# Allegro board meta_carrier_lay_rev1.brd (continued)
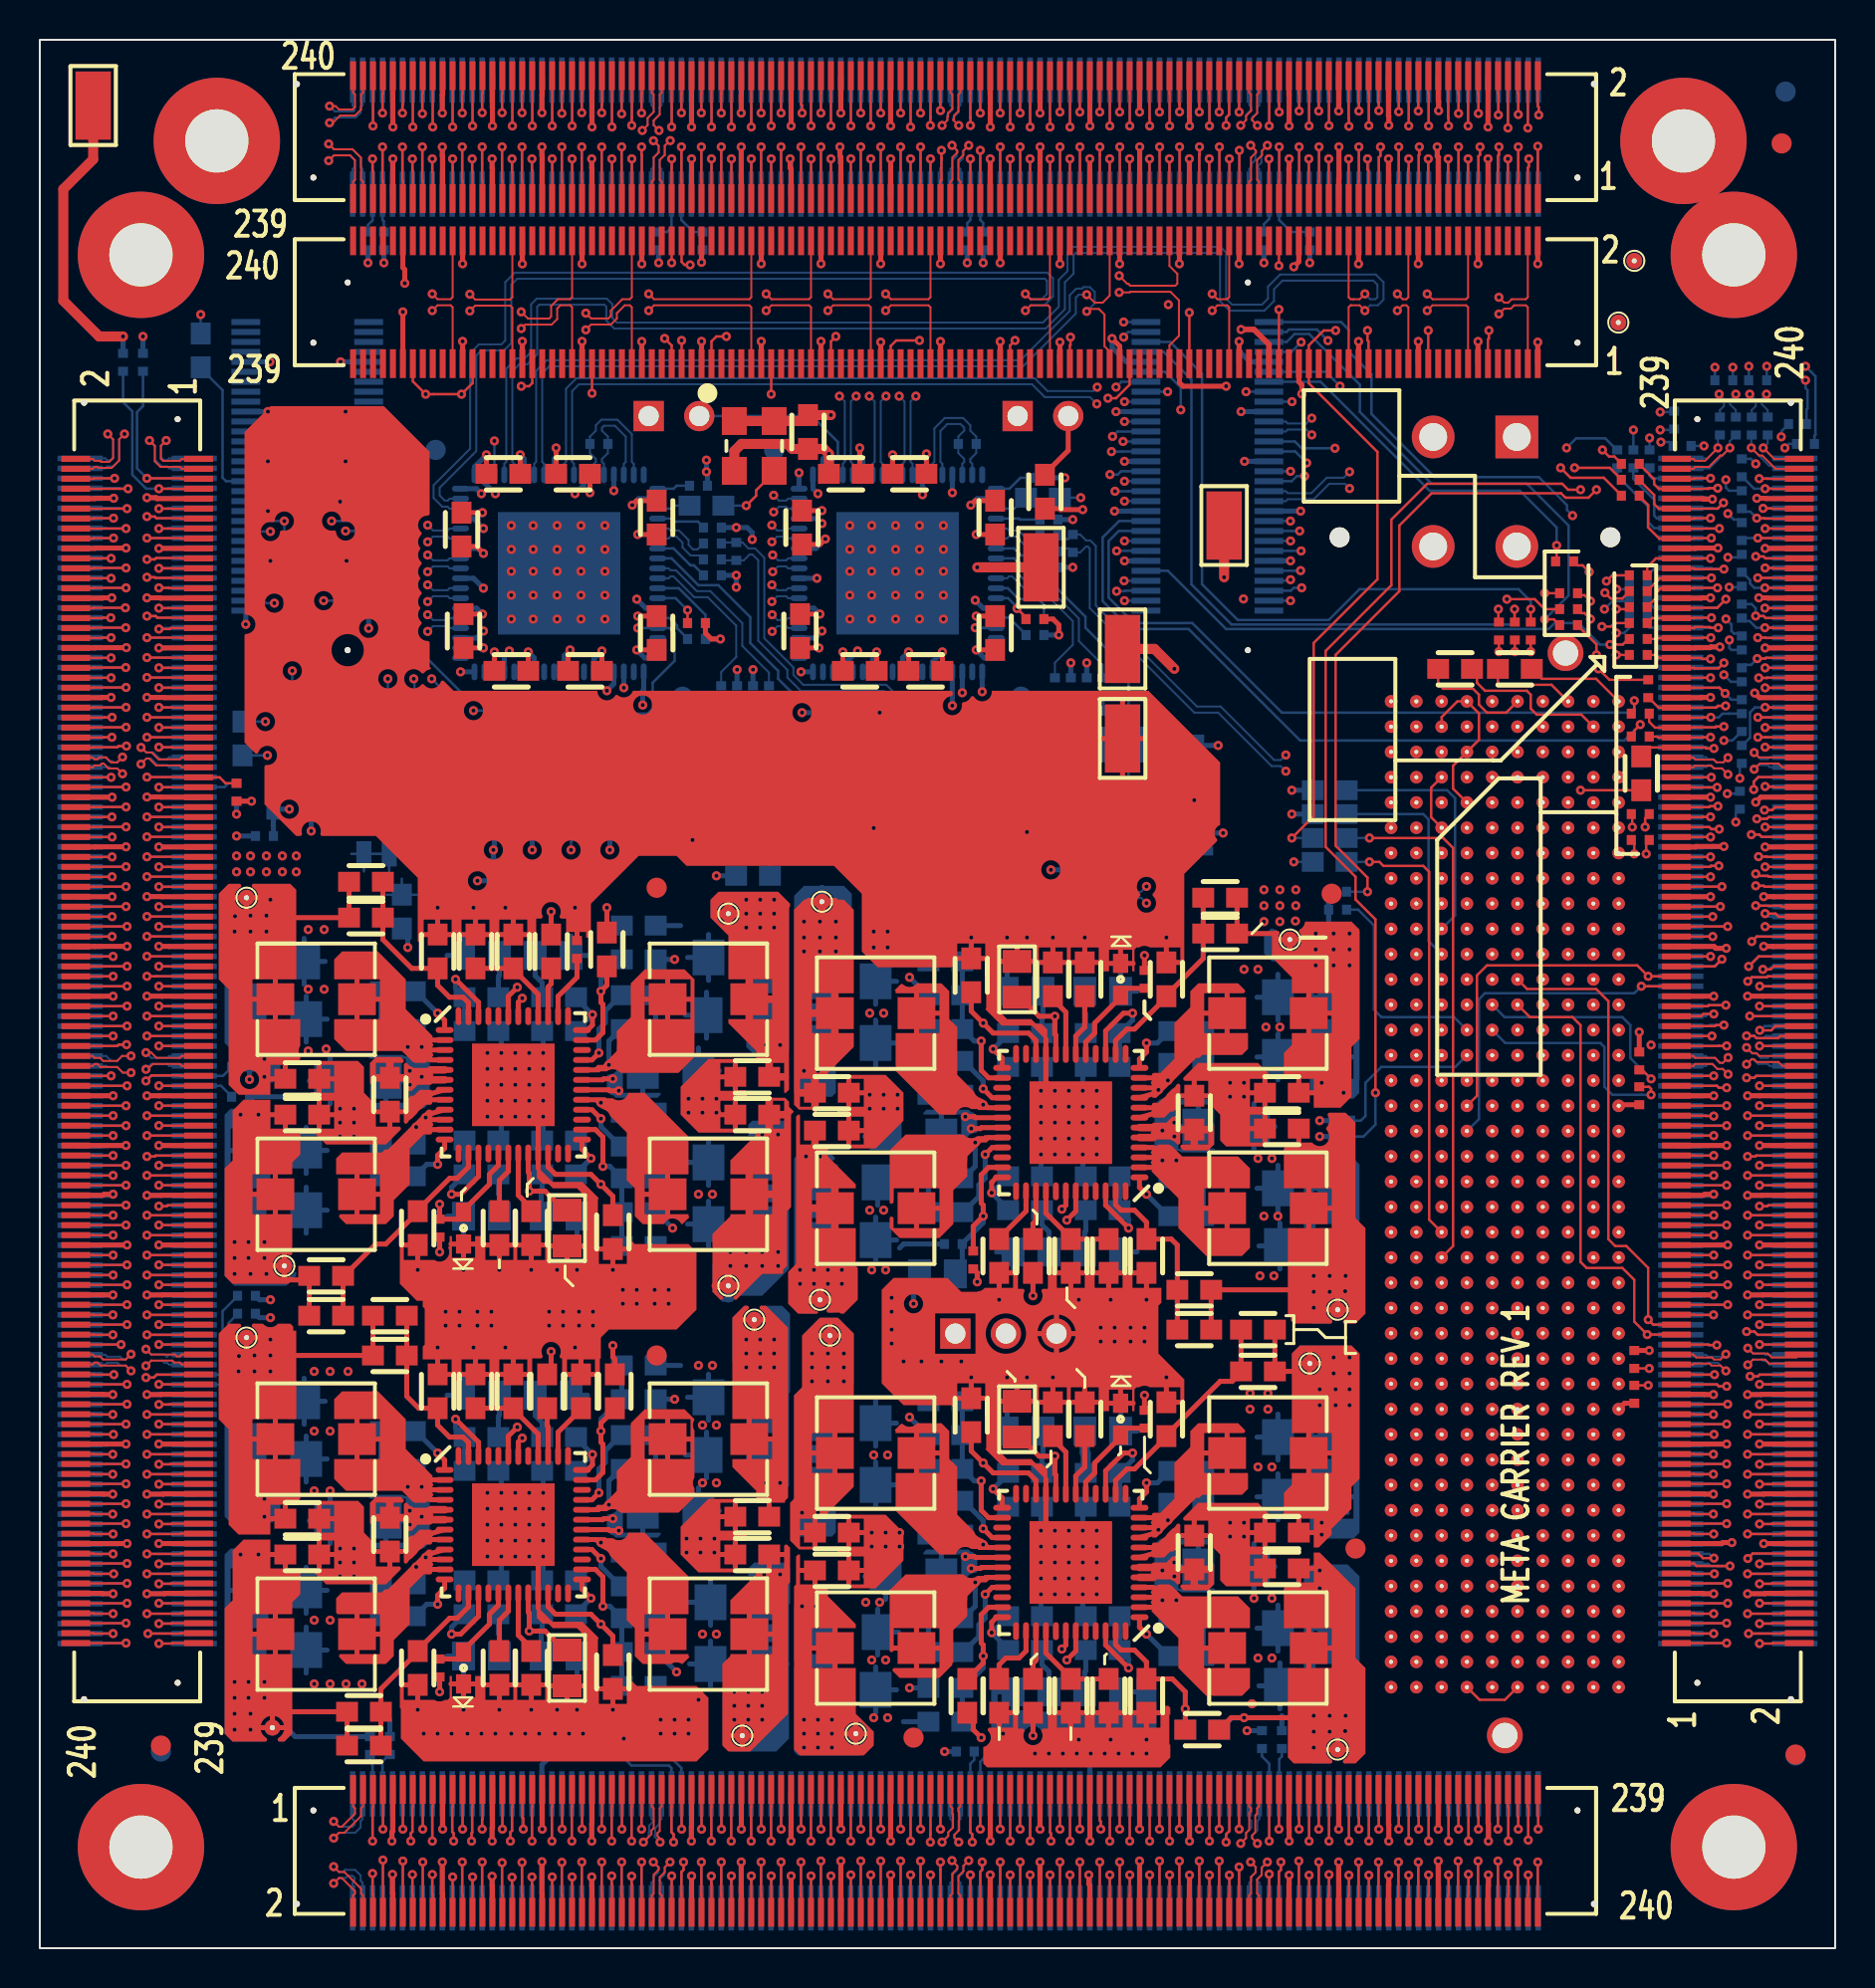
[diagram p0: board, top side]
## Placement (name value [footprint] x y rotation side) (continued)
NOREF  -  []  85.08 5.08 90 top
NOREF#2  -  [unnamed#2]  64.88 52.98 90 top
NOREF#3  -  [unnamed#3]  8.89 90.8 0 top
NOREF#4  -  [unnamed#2]  6.08 10.18 90 top
NOREF#5  -  [unnamed#2]  30.98 53.28 90 top
NOREF#6  -  [unnamed#3]  85.08 85.08 0 top
NOREF#7  -  [unnamed#2]  66.08 20.08 90 top
NOREF#8  -  [unnamed#2]  87.48 90.68 90 top
NOREF#9  -  [unnamed#3]  82.55 90.8 0 top
NOREF#10  -  [unnamed#3]  5.08 85.08 0 top
NOREF#11  -  [unnamed#3]  85.08 5.08 0 top
NOREF#12  -  [unnamed#2]  5.08 5.08 0 top
NOREF#13  -  []  90.17 0 90 top
NOREF#14  -  [unnamed#2]  43.88 10.58 90 top
NOREF#15  -  []  5.08 5.08 0 top
NOREF#16  -  []  0 0 0 top
NOREF#17  -  [unnamed#2]  88.18 9.73 90 top
NOREF#18  -  [unnamed#2]  30.98 29.78 90 top
NOREF#19  -  [unnamed#2]  6.08 9.88 90 bottom
NOREF#20  -  [unnamed#2]  88.18 9.68 90 bottom
NOREF#21  -  [unnamed#2]  87.68 93.28 90 bottom
P1  J400-AV11  [VITA57_MEZZ]  73.58 37.88 270 bottom
R1  0  [0603]  50.48 73.18 90 top
R2  0  [0603]  74.08 64.28 0 top
R3  0  [0603]  80.43 59.03 90 top
R4  0  [0603]  71.08 64.28 0 top
R5  10K  [0402]  9.88 58.08 270 top
R6  10.2K  [0603]  16.38 53.58 180 top
R7  12.7K  [0603]  59.28 52.78 0 top
R8  10K  [0402]  26.98 50.18 270 top
R9  43.2K  [0603]  19.98 50.08 90 top
R10  374K  [0603]  23.78 50.08 270 top
R11  0  [0603]  25.68 50.08 90 top
R12  10K  [0402]  55.48 48.68 90 top
R13  10.2K  [0603]  56.58 48.68 90 top
R14  10K  [0402]  80.33 44.58 90 top
R15  10K  [0402]  80.33 42.83 90 top
R16  10.2K  [0603]  18.98 36.18 270 top
R17  10K  [0402]  20.08 36.18 270 top
R18  22.1K  [0603]  48.18 34.78 90 top
R19  0  [0603]  49.88 34.78 270 top
R20  374K  [0603]  51.78 34.78 90 top
R21  43.2K  [0603]  55.58 34.78 270 top
R22  12.7K  [0402]  46.88 34.58 270 top
R23  12.7K  [0603]  14.38 31.78 180 top
R24  10.2K  [0603]  17.58 31.78 180 top
R25  10.2K  [0603]  57.98 31.08 0 top
R26  12.7K  [0603]  61.18 31.08 0 top
R27  10K  [0402]  80.08 29.58 90 top
R28  43.2K  [0603]  19.98 27.98 90 top
R29  374K  [0603]  23.78 27.98 270 top
R30  0  [0603]  25.48 27.98 90 top
R31  39K  [0603]  27.18 27.98 270 top
R32  10K  [0402]  80.08 27.83 90 top
R33  10K  [0402]  55.48 26.58 90 top
R34  10.2K  [0603]  56.58 26.58 90 top
R35  10.2K  [0603]  18.98 14.08 270 top
R36  10K  [0402]  20.08 14.08 270 top
R37  56K  [0603]  48.18 12.68 90 top
R38  0  [0603]  49.88 12.68 270 top
R39  374K  [0603]  51.78 12.68 90 top
R40  43.2K  [0603]  55.58 12.68 270 top
R41  12.7K  [0603]  16.28 10.18 180 top
R42  10K  [0402]  65.38 41.58 0 bottom
R43  10K  [0402]  65.38 40.78 0 bottom
R44  10K  [0402]  65.18 53.08 180 bottom
R45  10K  [0402]  65.18 52.18 180 bottom
R46  0  [0603]  64.78 58.18 0 bottom
R47  0  [0603]  64.78 56.98 0 bottom
R48  0  [0603]  64.78 55.78 0 bottom
R49  0  [0603]  64.78 54.58 0 bottom
R50  10K  [0402]  63.78 85.78 90 bottom
R51  10K  [0402]  62.38 10.48 270 bottom
R52  10K  [0402]  61.48 85.78 270 bottom
R53  10K  [0402]  61.38 10.48 90 bottom
R54  10.2K  [0603]  58.38 10.98 0 bottom
R55  1K  [0402]  57.88 55.58 270 bottom
R56  0  [0603]  57.58 46.08 0 bottom
R57  0  [0603]  57.58 36.78 0 bottom
R58  0  [0603]  57.58 23.98 0 bottom
R59  0  [0603]  57.58 14.68 0 bottom
R60  15.4K  [0603]  53.38 45.98 0 bottom
R61  15.4K  [0603]  53.38 37.08 0 bottom
R62  15.4K  [0603]  53.38 23.88 0 bottom
R63  15.4K  [0603]  53.38 14.98 0 bottom
R64  49.9  [0402]  52.98 62.18 180 bottom
R65  0  [0603]  52.68 54.18 180 bottom
R66  49.9  [0402]  52.58 63.38 270 bottom
R67  100.0  [0402]  51.88 70.58 90 bottom
R68  49.9  [0402]  51.38 62.18 180 bottom
R69  0  [0603]  50.38 72.88 180 bottom
R70  15.4K  [0603]  49.48 45.98 180 bottom
R71  15.4K  [0603]  49.48 37.08 180 bottom
R72  15.4K  [0603]  49.48 23.88 180 bottom
R73  15.4K  [0603]  49.48 14.98 180 bottom
R74  10K  [0402]  48.18 9.88 180 bottom
R75  10K  [0402]  47.38 85.78 90 bottom
R76  10K  [0402]  46.58 85.78 270 bottom
R77  100.0  [0402]  46.58 75.58 180 bottom
R78  10K  [0402]  46.48 9.88 180 bottom
R79  10.2K  [0402]  45.88 35.38 180 bottom
R80  43.2K  [0603]  45.48 49.58 180 bottom
R81  22.1K  [0603]  45.48 47.88 180 bottom
R82  0  [0603]  45.48 44.58 180 bottom
R83  0  [0603]  45.48 36.98 180 bottom
R84  10.2K  [0603]  45.48 27.48 180 bottom
R85  12.7K  [0603]  45.48 25.78 180 bottom
R86  0  [0603]  45.48 22.48 180 bottom
R87  0  [0603]  45.48 14.88 180 bottom
R88  12.7K  [0603]  45.48 13.08 180 bottom
R89  10.2K  [0603]  45.48 11.38 180 bottom
R90  1K  [0402]  41.08 55.18 270 bottom
R91  49.9  [0402]  36.22 61.69 180 bottom
R92  49.9  [0402]  35.82 62.98 270 bottom
R93  0  [0603]  35.82 53.88 180 bottom
R94  100.0  [0402]  34.98 70.18 90 bottom
R95  49.9  [0402]  34.62 61.69 180 bottom
R96  0  [0603]  33.48 72.48 180 bottom
R97  10K  [0402]  33.28 85.78 90 bottom
R98  10K  [0402]  31.08 85.78 270 bottom
R99  3.01K  [0603]  30.08 51.38 0 bottom
R100  9.31K  [0603]  30.08 49.68 0 bottom
R101  0  [0603]  30.08 47.88 0 bottom
R102  0  [0603]  30.08 40.28 0 bottom
R103  12.7K  [0603]  30.08 36.98 0 bottom
R104  10.2K  [0603]  30.08 35.28 0 bottom
R105  10.2K  [0603]  30.08 29.28 0 bottom
R106  12.7K  [0603]  30.08 27.58 0 bottom
R107  0  [0603]  30.08 25.78 0 bottom
R108  0  [0603]  30.08 18.18 0 bottom
R109  12.7K  [0603]  30.08 14.88 0 bottom
R110  10.2K  [0603]  30.08 13.18 0 bottom
R111  10K  [0402]  29.98 10.08 270 bottom
R112  10K  [0402]  28.78 9.68 180 bottom
R113  100.0  [0402]  28.08 75.58 0 bottom
R114  0  [0603]  27.68 61.18 270 bottom
R115  15.4K  [0603]  26.08 47.78 0 bottom
R116  15.4K  [0603]  26.08 38.88 0 bottom
R117  15.4K  [0603]  26.08 25.68 0 bottom
R118  15.4K  [0603]  26.08 16.78 0 bottom
R119  0  [0603]  23.78 61.28 270 bottom
R120  10K  [0402]  22.78 54.08 90 bottom
R121  15.4K  [0603]  22.18 47.78 180 bottom
R122  15.4K  [0603]  22.18 38.88 180 bottom
R123  15.4K  [0603]  22.18 25.68 180 bottom
R124  15.4K  [0603]  22.18 16.78 180 bottom
R125  0  [0603]  18.18 52.08 90 bottom
R126  0  [0603]  17.98 48.08 180 bottom
R127  0  [0603]  17.98 38.78 180 bottom
R128  0  [0603]  17.98 25.98 180 bottom
R129  0  [0603]  17.98 16.68 180 bottom
R130  10K  [0402]  17.58 10.18 270 bottom
R131  10K  [0402]  17.28 85.78 90 bottom
R132  10K  [0402]  16.58 10.18 90 bottom
R133  10K  [0402]  16.48 85.78 270 bottom
R134  0  [0603]  12.68 62.08 270 bottom
R135  10K  [0402]  11.28 55.88 0 bottom
R136  10K  [0402]  10.38 32.78 0 bottom
R137  10K  [0402]  10.38 31.88 180 bottom
R138  0  [0603]  10.18 60.78 270 bottom
R139  10K  [0402]  10.08 44.28 0 bottom
R140  10K  [0402]  10.08 42.78 180 bottom
R141  10K  [0402]  9.88 58.08 90 bottom
R142  0  [0603]  8.08 80.28 270 bottom
R143  10K  [0402]  5.18 79.68 90 bottom
R144  10K  [0402]  4.18 79.68 270 bottom
R145  0  [0402]  80.28 68.18 0 top
R146  0  [0402]  80.28 67.38 0 top
R147  0  [0402]  80.28 64.98 180 top
R148  0  [0402]  85.48 63.18 270 bottom
R149  0  [0402]  80.38 62.03 0 top
R150  0  [0402]  80.28 68.48 180 bottom
R151  0  [0402]  80.28 66.88 0 bottom
R152  0  [0402]  80.28 67.68 180 bottom
R153  0  [0402]  80.28 65.78 0 top
R154  0  [0402]  76.78 67.28 180 top
R155  0  [0402]  80.78 63.28 90 top
R156  0  [0402]  80.38 60.88 0 top
R157  0  [0402]  85.48 61.58 270 bottom
R158  0  [0402]  80.28 68.98 180 top
R159  0  [0402]  80.28 66.58 180 top
R160  0  [0402]  73.28 66.18 270 top
R161  0  [0402]  80.85 74.83 270 bottom
R162  0  [0402]  84.38 76.48 90 bottom
R163  0  [0402]  79.88 74.58 0 top
R164  0  [0402]  85.18 76.48 90 bottom
R165  0  [0402]  79.88 73.78 0 top
R166  0  [0402]  79.22 74.83 90 bottom
R167  0  [0402]  80.04 74.83 270 bottom
R168  0  [0402]  79.88 72.98 180 top
R169  0  [0402]  88.68 75.58 180 bottom
R170  0  [0402]  84.58 78.78 180 bottom
R171  0  [0402]  85.48 72.78 270 bottom
R172  0  [0402]  85.48 74.38 90 bottom
R173  0  [0402]  86.78 76.48 90 bottom
R174  0  [0402]  88.28 76.58 180 bottom
R175  0  [0402]  85.48 71.18 270 bottom
R176  0  [0402]  85.98 76.48 90 bottom
R177  0  [0402]  82.08 76.78 270 bottom
R178  0  [0402]  82.48 75.48 180 bottom
R179  0  [0402]  85.48 69.58 270 bottom
R180  0  [0402]  86.28 78.78 180 bottom
R181  0  [0402]  85.48 66.38 90 bottom
R182  0  [0402]  76.58 69.68 180 top
R183  0  [0402]  76.78 68.08 0 top
R184  0  [0402]  85.48 67.98 90 bottom
R185  0  [0402]  74.08 66.18 270 top
R186  0  [0402]  85.48 64.78 90 bottom
R187  0  [0402]  74.88 66.18 270 top
R188  0  [0402]  76.78 66.48 180 top
R189  0  [0402]  80.38 55.68 0 top
R190  0  [0402]  85.48 59.98 270 bottom
R191  0  [0402]  85.38 57.68 90 bottom
R192  0  [0402]  80.38 56.98 180 top
TP1  J001-1T01  [TP_22]  80.08 84.78 0 top
TP2  J001-1T01  [TP_22]  79.28 81.68 0 top
TP3  J001-1T01  [TP_22]  10.38 52.78 0 top
TP4  J001-1T01  [TP_22]  39.28 52.58 0 top
TP5  J001-1T01  [TP_22]  34.58 51.98 0 top
TP6  J001-1T01  [TP_22]  62.78 50.68 180 top
TP7  J001-1T01  [TP_22]  12.28 34.28 0 top
TP8  J001-1T01  [TP_22]  34.58 33.28 0 top
TP9  J001-1T01  [TP_22]  39.18 32.58 180 top
TP10  J001-1T01  [TP_22]  65.18 32.08 180 top
TP11  J001-1T01  [TP_22]  35.88 31.58 0 top
TP12  J001-1T01  [TP_22]  39.68 30.78 0 top
TP13  J001-1T01  [TP_22]  10.38 30.68 0 top
TP14  J001-1T01  [TP_22]  63.78 29.38 180 top
TP15  J001-1T01  [TP_22]  40.98 10.78 180 top
TP16  J001-1T01  [TP_22]  35.28 10.68 0 top
TP17  J001-1T01  [TP_22]  65.18 9.98 180 top
TP18  J001-1T01  [TP_22]  11.68 11.08 180 bottom
TP19  TP_5017  [KEYSTONE_5017]  54.38 60.78 0 top
TP20  TP_5017  [KEYSTONE_5017]  2.68 92.58 180 top
TP21  TP_5017  [KEYSTONE_5017]  59.48 71.48 180 top
TP22  TP_5017  [KEYSTONE_5017]  54.38 65.28 0 top
TP23  TP_5017  [KEYSTONE_5017]  50.28 69.38 0 top
U1  SG-310  [OSCCC250X320X120-4N]  35.88 75.48 270 top
U2  TPS65400  [QFN50P700X700X100-49N]  23.78 43.38 0 top
U3  TPS65400  [QFN50P700X700X100-49N]  51.78 41.48 180 top
U4  TPS65400  [QFN50P700X700X100-49N]  23.78 21.28 0 top
U5  TPS65400  [QFN50P700X700X100-49N]  51.78 19.38 180 top
U6  VG-4513CA  [OSCSC254P500X700X180-6N]  53.48 58.28 180 bottom
U7  AD9523-1  [QFN50P1000X1000X100-73N]  43.08 69.08 180 bottom
U8  VG-4513CA  [OSCSC254P500X700X180-6N]  36.72 57.88 180 bottom
U9  BSS138  [SOT95P240X120-3N]  27.68 57.48 90 bottom
U10  AD9523-1  [QFN50P1000X1000X100-73N]  26.08 69.08 180 bottom
U11  BSS138  [SOT95P240X120-3N]  23.78 57.48 90 bottom
U12  DIP4  [TE_1571983-5]  18.18 58.78 270 bottom
U13  BSS138  [SOT95P240X120-3N]  12.68 58.38 90 bottom

## Library data of the parts
C1-C187 = CAP NP
CR1-CR4 = LED_0603_5MA_GRN
J1-J5 = BTH120
J6 J11 J12 J15 = BSH120
J7 = ATX_12V_2x2
J8 J14 = BTH30
J9 J13 = HDR_1X2_TH_VER: User Part Number: *; Tolerance: *
J10 = HDR_1X3_TH_VER_0.1P: User Part Number: *; Tolerance: *
L1-L16 = IND_1P5UH_2A
P1 = VITA-57DOT1-SEAM-40
R1-R192 = RESISTOR/SM
TP1-TP18 = T_POINT_R
TP19-TP23 = TP_5017
U1 = SG-310
U2-U5 = TPS65400_2
U6 U8 = VG-4513CA_1
U7 U10 = AD9523-1_4
U9 U11 U13 = BSS138_3
U12 = DIP4

## Footprints (pads in the part's own frame, mm; a bottom-side part is the same pattern mirrored in y, then rotated)
0402
  rect 0.46x0.5 smd: 1(-0.45,0) 2(0.45,0)
0603
  rect 1.1x1 smd: 1(-0.85,0) 2(0.85,0)
1206
  rect 1.6x1.803 smd: 1(-1.397,0) 2(1.397,0)
CAPC2012X145N
  rect 1.151x1.45 smd: 1(-0.9,0) 2(0.9,0)
HDR_1X2_TH_VER
  rect 1.524x1.524 hole 1.016: 1(0,0)
  round 1.524 hole 1.016: 2(2.54,0)
HDR_1X3_TH_VER
  rect 1.524x1.524 hole 1.016: 1(0,0)
  round 1.524 hole 1.016: 2(2.54,0) 3(5.08,0)
KEYSTONE_5017
  rect 1.778x3.429 smd: 1(0,0)
LED_0603
  rect 0.762x0.965 smd: 1(0,0.8) 2(0,-0.8)
MOLEX_0039299042
  round 1 hole 3 unplated: (-6.8,2.49) (6.8,2.49)
  rect 2.15x2.15 hole 1.4: 1(2.1,-2.55)
  round 2.15 hole 1.4: 2(-2.1,-2.55) 3(2.1,2.95) 4(-2.1,2.95)
OSCCC250X320X120-4N
  rect 1.4x1.25 smd: 1(-1.25,-1) 2(1.25,-1) 3(1.25,1) 4(-1.25,1)
OSCSC254P500X700X180-6N
  rect 1.55x1.8 smd: 1(-2.54,-2.2) 2(0,-2.2) 3(2.54,-2.2) 4(2.54,2.2) 5(0,2.2) 6(-2.54,2.2)
QFN50P700X700X100-49N
  oval 0.9x0.3 smd: 1(-3.45,2.75) 2(-3.45,2.25) 3(-3.45,1.75) 4(-3.45,1.25) 5(-3.45,0.75) 6(-3.45,0.25) 7(-3.45,-0.25) 8(-3.45,-0.75) 9(-3.45,-1.25) 10(-3.45,-1.75) 11(-3.45,-2.25) 12(-3.45,-2.75) 25(3.45,-2.75) 26(3.45,-2.25) 27(3.45,-1.75) 28(3.45,-1.25) 29(3.45,-0.75) 30(3.45,-0.25) 31(3.45,0.25) 32(3.45,0.75) 33(3.45,1.25) 34(3.45,1.75) 35(3.45,2.25) 36(3.45,2.75)
  oval 0.3x0.9 smd: 13(-2.75,-3.45) 14(-2.25,-3.45) 15(-1.75,-3.45) 16(-1.25,-3.45) 17(-0.75,-3.45) 18(-0.25,-3.45) 19(0.25,-3.45) 20(0.75,-3.45) 21(1.25,-3.45) 22(1.75,-3.45) 23(2.25,-3.45) 24(2.75,-3.45) 37(2.75,3.45) 38(2.25,3.45) 39(1.75,3.45) 40(1.25,3.45) 41(0.75,3.45) 42(0.25,3.45) 43(-0.25,3.45) 44(-0.75,3.45) 45(-1.25,3.45) 46(-1.75,3.45) 47(-2.25,3.45) 48(-2.75,3.45)
  rect 4.15x4.15 smd: 49(0,0)
QFN50P1000X1000X100-73N
  round 1.016 smd: (-6.2,-6.2) (6.2,6.2)
  oval 0.85x0.3 smd: 1(-4.95,4.25) 2(-4.95,3.75) 3(-4.95,3.25) 4(-4.95,2.75) 5(-4.95,2.25) 6(-4.95,1.75) 7(-4.95,1.25) 8(-4.95,0.75) 9(-4.95,0.25) 10(-4.95,-0.25) 11(-4.95,-0.75) 12(-4.95,-1.25) 13(-4.95,-1.75) 14(-4.95,-2.25) 15(-4.95,-2.75) 16(-4.95,-3.25) 17(-4.95,-3.75) 18(-4.95,-4.25) 37(4.95,-4.25) 38(4.95,-3.75) 39(4.95,-3.25) 40(4.95,-2.75) 41(4.95,-2.25) 42(4.95,-1.75) 43(4.95,-1.25) 44(4.95,-0.75) 45(4.95,-0.25) 46(4.95,0.25) 47(4.95,0.75) 48(4.95,1.25) 49(4.95,1.75) 50(4.95,2.25) 51(4.95,2.75) 52(4.95,3.25) 53(4.95,3.75) 54(4.95,4.25)
  oval 0.3x0.85 smd: 19(-4.25,-4.95) 20(-3.75,-4.95) 21(-3.25,-4.95) 22(-2.75,-4.95) 23(-2.25,-4.95) 24(-1.75,-4.95) 25(-1.25,-4.95) 26(-0.75,-4.95) 27(-0.25,-4.95) 28(0.25,-4.95) 29(0.75,-4.95) 30(1.25,-4.95) 31(1.75,-4.95) 32(2.25,-4.95) 33(2.75,-4.95) 34(3.25,-4.95) 35(3.75,-4.95) 36(4.25,-4.95) 55(4.25,4.95) 56(3.75,4.95) 57(3.25,4.95) 58(2.75,4.95) 59(2.25,4.95) 60(1.75,4.95) 61(1.25,4.95) 62(0.75,4.95) 63(0.25,4.95) 64(-0.25,4.95) 65(-0.75,4.95) 66(-1.25,4.95) 67(-1.75,4.95) 68(-2.25,4.95) 69(-2.75,4.95) 70(-3.25,4.95) 71(-3.75,4.95) 72(-4.25,4.95)
  rect 6.15x6.15 smd: 73(0,0)
SAMTEC_BSH-120-XX-X-D-A
  round 0.305 hole 1.016 unplated: (-32.57,2.666) (32.57,2.666)
  rect 0.279x2.273 smd: 1(-29.773,-2.864) 2(-29.773,2.864) 3(-29.272,-2.864) 4(-29.272,2.864) 5(-28.772,-2.864) 6(-28.772,2.864) 7(-28.272,-2.864) 8(-28.272,2.864) 9(-27.771,-2.864) 10(-27.771,2.864) 11(-27.271,-2.864) 12(-27.271,2.864) 13(-26.77,-2.864) 14(-26.77,2.864) 15(-26.27,-2.864) 16(-26.27,2.864) 17(-25.77,-2.864) 18(-25.77,2.864) 19(-25.269,-2.864) 20(-25.269,2.864) 21(-24.769,-2.864) 22(-24.769,2.864) 23(-24.268,-2.864) 24(-24.268,2.864) 25(-23.768,-2.864) 26(-23.768,2.864) 27(-23.268,-2.864) 28(-23.268,2.864) 29(-22.767,-2.864) 30(-22.767,2.864) 31(-22.267,-2.864) 32(-22.267,2.864) 33(-21.766,-2.864) 34(-21.766,2.864) 35(-21.266,-2.864) 36(-21.266,2.864) 37(-20.766,-2.864) 38(-20.766,2.864) 39(-20.265,-2.864) 40(-20.265,2.864) 41(-19.765,-2.864) 42(-19.765,2.864) 43(-19.265,-2.864) 44(-19.265,2.864) 45(-18.764,-2.864) 46(-18.764,2.864) 47(-18.264,-2.864) 48(-18.264,2.864) 49(-17.764,-2.864) 50(-17.764,2.864) 51(-17.263,-2.864) 52(-17.263,2.864) 53(-16.763,-2.864) 54(-16.763,2.864) 55(-16.262,-2.864) 56(-16.262,2.864) 57(-15.762,-2.864) 58(-15.762,2.864) 59(-15.262,-2.864) 60(-15.262,2.864) 61(-14.761,-2.864) 62(-14.761,2.864) 63(-14.261,-2.864) 64(-14.261,2.864) 65(-13.76,-2.864) 66(-13.76,2.864) 67(-13.26,-2.864) 68(-13.26,2.864) 69(-12.76,-2.864) 70(-12.76,2.864) 71(-12.259,-2.864) 72(-12.259,2.864) 73(-11.759,-2.864) 74(-11.759,2.864) 75(-11.259,-2.864) 76(-11.259,2.864) 77(-10.758,-2.864) 78(-10.758,2.864) 79(-10.258,-2.864) 80(-10.258,2.864) 81(-9.757,-2.864) 82(-9.757,2.864) 83(-9.257,-2.864) 84(-9.257,2.864) 85(-8.757,-2.864) 86(-8.757,2.864) 87(-8.256,-2.864) 88(-8.256,2.864) 89(-7.756,-2.864) 90(-7.756,2.864) 91(-7.256,-2.864) 92(-7.256,2.864) 93(-6.755,-2.864) 94(-6.755,2.864) 95(-6.255,-2.864) 96(-6.255,2.864) 97(-5.754,-2.864) 98(-5.754,2.864) 99(-5.254,-2.864) 100(-5.254,2.864) 101(-4.754,-2.864) 102(-4.754,2.864) 103(-4.253,-2.864) 104(-4.253,2.864) 105(-3.753,-2.864) 106(-3.753,2.864) 107(-3.252,-2.864) 108(-3.252,2.864) 109(-2.752,-2.864) 110(-2.752,2.864) 111(-2.252,-2.864) 112(-2.252,2.864) 113(-1.751,-2.864) 114(-1.751,2.864) 115(-1.251,-2.864) 116(-1.251,2.864) 117(-0.751,-2.864) 118(-0.751,2.864) 119(-0.25,-2.864) 120(-0.25,2.864) 121(0.25,-2.864) 122(0.25,2.864) 123(0.751,-2.864) 124(0.751,2.864) 125(1.251,-2.864) 126(1.251,2.864) 127(1.751,-2.864) 128(1.751,2.864) 129(2.252,-2.864) 130(2.252,2.864) 131(2.752,-2.864) 132(2.752,2.864) 133(3.252,-2.864) 134(3.252,2.864) 135(3.753,-2.864) 136(3.753,2.864) 137(4.253,-2.864) 138(4.253,2.864) 139(4.754,-2.864) 140(4.754,2.864) 141(5.254,-2.864) 142(5.254,2.864) 143(5.754,-2.864) 144(5.754,2.864) 145(6.255,-2.864) 146(6.255,2.864) 147(6.755,-2.864) 148(6.755,2.864) 149(7.256,-2.864) 150(7.256,2.864) 151(7.756,-2.864) 152(7.756,2.864) 153(8.256,-2.864) 154(8.256,2.864) 155(8.757,-2.864) 156(8.757,2.864) 157(9.257,-2.864) 158(9.257,2.864) 159(9.757,-2.864) 160(9.757,2.864) 161(10.258,-2.864) 162(10.258,2.864) 163(10.758,-2.864) 164(10.758,2.864) 165(11.259,-2.864) 166(11.259,2.864) 167(11.759,-2.864) 168(11.759,2.864) 169(12.259,-2.864) 170(12.259,2.864) 171(12.76,-2.864) 172(12.76,2.864) 173(13.26,-2.864) 174(13.26,2.864) 175(13.76,-2.864) 176(13.76,2.864) 177(14.261,-2.864) 178(14.261,2.864) 179(14.761,-2.864) 180(14.761,2.864) 181(15.262,-2.864) 182(15.262,2.864) 183(15.762,-2.864) 184(15.762,2.864) 185(16.262,-2.864) 186(16.262,2.864) 187(16.763,-2.864) 188(16.763,2.864) 189(17.263,-2.864) 190(17.263,2.864) 191(17.764,-2.864) 192(17.764,2.864) 193(18.264,-2.864) 194(18.264,2.864) 195(18.764,-2.864) 196(18.764,2.864) 197(19.265,-2.864) 198(19.265,2.864) 199(19.765,-2.864) 200(19.765,2.864) 201(20.265,-2.864) 202(20.265,2.864) 203(20.766,-2.864) 204(20.766,2.864) 205(21.266,-2.864) 206(21.266,2.864) 207(21.766,-2.864) 208(21.766,2.864) 209(22.267,-2.864) 210(22.267,2.864) 211(22.767,-2.864) 212(22.767,2.864) 213(23.268,-2.864) 214(23.268,2.864) 215(23.768,-2.864) 216(23.768,2.864) 217(24.268,-2.864) 218(24.268,2.864) 219(24.769,-2.864) 220(24.769,2.864) 221(25.269,-2.864) 222(25.269,2.864) 223(25.77,-2.864) 224(25.77,2.864) 225(26.27,-2.864) 226(26.27,2.864) 227(26.77,-2.864) 228(26.77,2.864) 229(27.271,-2.864) 230(27.271,2.864) 231(27.771,-2.864) 232(27.771,2.864) 233(28.272,-2.864) 234(28.272,2.864) 235(28.772,-2.864) 236(28.772,2.864) 237(29.272,-2.864) 238(29.272,2.864) 239(29.773,-2.864) 240(29.773,2.864)
SAMTEC_BTH-030-01-X-D-A
  round 0.3 hole 1.016 unplated: (-9.238,2.032) (9.238,2.032)
  rect 0.305x1.448 smd: 1(-7.25,3.086) 2(-7.25,-3.086) 3(-6.75,3.086) 4(-6.75,-3.086) 5(-6.25,3.086) 6(-6.25,-3.086) 7(-5.75,3.086) 8(-5.75,-3.086) 9(-5.25,3.086) 10(-5.25,-3.086) 11(-4.75,3.086) 12(-4.75,-3.086) 13(-4.25,3.086) 14(-4.25,-3.086) 15(-3.75,3.086) 16(-3.75,-3.086) 17(-3.25,3.086) 18(-3.25,-3.086) 19(-2.75,3.086) 20(-2.75,-3.086) 21(-2.25,3.086) 22(-2.25,-3.086) 23(-1.75,3.086) 24(-1.75,-3.086) 25(-1.25,3.086) 26(-1.25,-3.086) 27(-0.75,3.086) 28(-0.75,-3.086) 29(-0.25,3.086) 30(-0.25,-3.086) 31(0.25,3.086) 32(0.25,-3.086) 33(0.75,3.086) 34(0.75,-3.086) 35(1.25,3.086) 36(1.25,-3.086) 37(1.75,3.086) 38(1.75,-3.086) 39(2.25,3.086) 40(2.25,-3.086) 41(2.75,3.086) 42(2.75,-3.086) 43(3.25,3.086) 44(3.25,-3.086) 45(3.75,3.086) 46(3.75,-3.086) 47(4.25,3.086) 48(4.25,-3.086) 49(4.75,3.086) 50(4.75,-3.086) 51(5.25,3.086) 52(5.25,-3.086) 53(5.75,3.086) 54(5.75,-3.086) 55(6.25,3.086) 56(6.25,-3.086) 57(6.75,3.086) 58(6.75,-3.086) 59(7.25,3.086) 60(7.25,-3.086)
SAMTEC_BTH-120-XX-X-D-A
  round 0.305 hole 1.016 unplated: (-31.744,2.032) (31.744,2.032)
  rect 0.305x1.448 smd: 1(-29.75,3.086) 2(-29.75,-3.086) 3(-29.25,3.086) 4(-29.25,-3.086) 5(-28.75,3.086) 6(-28.75,-3.086) 7(-28.25,3.086) 8(-28.25,-3.086) 9(-27.75,3.086) 10(-27.75,-3.086) 11(-27.25,3.086) 12(-27.25,-3.086) 13(-26.75,3.086) 14(-26.75,-3.086) 15(-26.25,3.086) 16(-26.25,-3.086) 17(-25.75,3.086) 18(-25.75,-3.086) 19(-25.25,3.086) 20(-25.25,-3.086) 21(-24.75,3.086) 22(-24.75,-3.086) 23(-24.25,3.086) 24(-24.25,-3.086) 25(-23.75,3.086) 26(-23.75,-3.086) 27(-23.25,3.086) 28(-23.25,-3.086) 29(-22.75,3.086) 30(-22.75,-3.086) 31(-22.25,3.086) 32(-22.25,-3.086) 33(-21.75,3.086) 34(-21.75,-3.086) 35(-21.25,3.086) 36(-21.25,-3.086) 37(-20.75,3.086) 38(-20.75,-3.086) 39(-20.25,3.086) 40(-20.25,-3.086) 41(-19.75,3.086) 42(-19.75,-3.086) 43(-19.25,3.086) 44(-19.25,-3.086) 45(-18.75,3.086) 46(-18.75,-3.086) 47(-18.25,3.086) 48(-18.25,-3.086) 49(-17.75,3.086) 50(-17.75,-3.086) 51(-17.25,3.086) 52(-17.25,-3.086) 53(-16.75,3.086) 54(-16.75,-3.086) 55(-16.25,3.086) 56(-16.25,-3.086) 57(-15.75,3.086) 58(-15.75,-3.086) 59(-15.25,3.086) 60(-15.25,-3.086) 61(-14.75,3.086) 62(-14.75,-3.086) 63(-14.25,3.086) 64(-14.25,-3.086) 65(-13.75,3.086) 66(-13.75,-3.086) 67(-13.25,3.086) 68(-13.25,-3.086) 69(-12.75,3.086) 70(-12.75,-3.086) 71(-12.25,3.086) 72(-12.25,-3.086) 73(-11.75,3.086) 74(-11.75,-3.086) 75(-11.25,3.086) 76(-11.25,-3.086) 77(-10.75,3.086) 78(-10.75,-3.086) 79(-10.25,3.086) 80(-10.25,-3.086) 81(-9.75,3.086) 82(-9.75,-3.086) 83(-9.25,3.086) 84(-9.25,-3.086) 85(-8.75,3.086) 86(-8.75,-3.086) 87(-8.25,3.086) 88(-8.25,-3.086) 89(-7.75,3.086) 90(-7.75,-3.086) 91(-7.25,3.086) 92(-7.25,-3.086) 93(-6.75,3.086) 94(-6.75,-3.086) 95(-6.25,3.086) 96(-6.25,-3.086) 97(-5.75,3.086) 98(-5.75,-3.086) 99(-5.25,3.086) 100(-5.25,-3.086) 101(-4.75,3.086) 102(-4.75,-3.086) 103(-4.25,3.086) 104(-4.25,-3.086) 105(-3.75,3.086) 106(-3.75,-3.086) 107(-3.25,3.086) 108(-3.25,-3.086) 109(-2.75,3.086) 110(-2.75,-3.086) 111(-2.25,3.086) 112(-2.25,-3.086) 113(-1.75,3.086) 114(-1.75,-3.086) 115(-1.25,3.086) 116(-1.25,-3.086) 117(-0.75,3.086) 118(-0.75,-3.086) 119(-0.25,3.086) 120(-0.25,-3.086) 121(0.25,3.086) 122(0.25,-3.086) 123(0.75,3.086) 124(0.75,-3.086) 125(1.25,3.086) 126(1.25,-3.086) 127(1.75,3.086) 128(1.75,-3.086) 129(2.25,3.086) 130(2.25,-3.086) 131(2.75,3.086) 132(2.75,-3.086) 133(3.25,3.086) 134(3.25,-3.086) 135(3.75,3.086) 136(3.75,-3.086) 137(4.25,3.086) 138(4.25,-3.086) 139(4.75,3.086) 140(4.75,-3.086) 141(5.25,3.086) 142(5.25,-3.086) 143(5.75,3.086) 144(5.75,-3.086) 145(6.25,3.086) 146(6.25,-3.086) 147(6.75,3.086) 148(6.75,-3.086) 149(7.25,3.086) 150(7.25,-3.086) 151(7.75,3.086) 152(7.75,-3.086) 153(8.25,3.086) 154(8.25,-3.086) 155(8.75,3.086) 156(8.75,-3.086) 157(9.25,3.086) 158(9.25,-3.086) 159(9.75,3.086) 160(9.75,-3.086) 161(10.25,3.086) 162(10.25,-3.086) 163(10.75,3.086) 164(10.75,-3.086) 165(11.25,3.086) 166(11.25,-3.086) 167(11.75,3.086) 168(11.75,-3.086) 169(12.25,3.086) 170(12.25,-3.086) 171(12.75,3.086) 172(12.75,-3.086) 173(13.25,3.086) 174(13.25,-3.086) 175(13.75,3.086) 176(13.75,-3.086) 177(14.25,3.086) 178(14.25,-3.086) 179(14.75,3.086) 180(14.75,-3.086) 181(15.25,3.086) 182(15.25,-3.086) 183(15.75,3.086) 184(15.75,-3.086) 185(16.25,3.086) 186(16.25,-3.086) 187(16.75,3.086) 188(16.75,-3.086) 189(17.25,3.086) 190(17.25,-3.086) 191(17.75,3.086) 192(17.75,-3.086) 193(18.25,3.086) 194(18.25,-3.086) 195(18.75,3.086) 196(18.75,-3.086) 197(19.25,3.086) 198(19.25,-3.086) 199(19.75,3.086) 200(19.75,-3.086) 201(20.25,3.086) 202(20.25,-3.086) 203(20.75,3.086) 204(20.75,-3.086) 205(21.25,3.086) 206(21.25,-3.086) 207(21.75,3.086) 208(21.75,-3.086) 209(22.25,3.086) 210(22.25,-3.086) 211(22.75,3.086) 212(22.75,-3.086) 213(23.25,3.086) 214(23.25,-3.086) 215(23.75,3.086) 216(23.75,-3.086) 217(24.25,3.086) 218(24.25,-3.086) 219(24.75,3.086) 220(24.75,-3.086) 221(25.25,3.086) 222(25.25,-3.086) 223(25.75,3.086) 224(25.75,-3.086) 225(26.25,3.086) 226(26.25,-3.086) 227(26.75,3.086) 228(26.75,-3.086) 229(27.25,3.086) 230(27.25,-3.086) 231(27.75,3.086) 232(27.75,-3.086) 233(28.25,3.086) 234(28.25,-3.086) 235(28.75,3.086) 236(28.75,-3.086) 237(29.25,3.086) 238(29.25,-3.086) 239(29.75,3.086) 240(29.75,-3.086)
SOT95P240X120-3N
  rect 1.05x0.7 smd: 1(-1.15,0.95) 2(-1.15,-0.95) 3(1.15,0)
TE_1571983-5
  rect 1.27x0.76 smd: 1(-3.795,1.905) 2(-3.795,0.635) 3(-3.795,-0.635) 4(-3.795,-1.905) 5(3.795,1.905) 6(3.795,0.635) 7(3.795,-0.635) 8(3.795,-1.905)
TP_22
  round 0.8 hole 0.254: 1(0,0)
unnamed#2
  round 1.016 smd: (0,0)
unnamed#3
  round 6.35 hole 3.175: (0,0)
VITA57_MEZZ
  round 1.8 hole 1.27 unplated: (-27.191,-3.048) (27.191,0)
  round 0.635 hole 0.203: A1(24.765,5.715) A2(23.495,5.715) A3(22.225,5.715) A4(20.955,5.715) A5(19.685,5.715) A6(18.415,5.715) A7(17.145,5.715) A8(15.875,5.715) A9(14.605,5.715) A10(13.335,5.715) A11(12.065,5.715) A12(10.795,5.715) A13(9.525,5.715) A14(8.255,5.715) A15(6.985,5.715) A16(5.715,5.715) A17(4.445,5.715) A18(3.175,5.715) A19(1.905,5.715) A20(0.635,5.715) A21(-0.635,5.715) A22(-1.905,5.715) A23(-3.175,5.715) A24(-4.445,5.715) A25(-5.715,5.715) A26(-6.985,5.715) A27(-8.255,5.715) A28(-9.525,5.715) A29(-10.795,5.715) A30(-12.065,5.715) A31(-13.335,5.715) A32(-14.605,5.715) A33(-15.875,5.715) A34(-17.145,5.715) A35(-18.415,5.715) A36(-19.685,5.715) A37(-20.955,5.715) A38(-22.225,5.715) A39(-23.495,5.715) A40(-24.765,5.715) B1(24.765,4.445) B2(23.495,4.445) B3(22.225,4.445) B4(20.955,4.445) B5(19.685,4.445) B6(18.415,4.445) B7(17.145,4.445) B8(15.875,4.445) B9(14.605,4.445) B10(13.335,4.445) B11(12.065,4.445) B12(10.795,4.445) B13(9.525,4.445) B14(8.255,4.445) B15(6.985,4.445) B16(5.715,4.445) B17(4.445,4.445) B18(3.175,4.445) B19(1.905,4.445) B20(0.635,4.445) B21(-0.635,4.445) B22(-1.905,4.445) B23(-3.175,4.445) B24(-4.445,4.445) B25(-5.715,4.445) B26(-6.985,4.445) B27(-8.255,4.445) B28(-9.525,4.445) B29(-10.795,4.445) B30(-12.065,4.445) B31(-13.335,4.445) B32(-14.605,4.445) B33(-15.875,4.445) B34(-17.145,4.445) B35(-18.415,4.445) B36(-19.685,4.445) B37(-20.955,4.445) B38(-22.225,4.445) B39(-23.495,4.445) B40(-24.765,4.445) C1(24.765,3.175) C2(23.495,3.175) C3(22.225,3.175) C4(20.955,3.175) C5(19.685,3.175) C6(18.415,3.175) C7(17.145,3.175) C8(15.875,3.175) C9(14.605,3.175) C10(13.335,3.175) C11(12.065,3.175) C12(10.795,3.175) C13(9.525,3.175) C14(8.255,3.175) C15(6.985,3.175) C16(5.715,3.175) C17(4.445,3.175) C18(3.175,3.175) C19(1.905,3.175) C20(0.635,3.175) C21(-0.635,3.175) C22(-1.905,3.175) C23(-3.175,3.175) C24(-4.445,3.175) C25(-5.715,3.175) C26(-6.985,3.175) C27(-8.255,3.175) C28(-9.525,3.175) C29(-10.795,3.175) C30(-12.065,3.175) C31(-13.335,3.175) C32(-14.605,3.175) C33(-15.875,3.175) C34(-17.145,3.175) C35(-18.415,3.175) C36(-19.685,3.175) C37(-20.955,3.175) C38(-22.225,3.175) C39(-23.495,3.175) C40(-24.765,3.175) D1(24.765,1.905) D2(23.495,1.905) D3(22.225,1.905) D4(20.955,1.905) D5(19.685,1.905) D6(18.415,1.905) D7(17.145,1.905) D8(15.875,1.905) D9(14.605,1.905) D10(13.335,1.905) D11(12.065,1.905) D12(10.795,1.905) D13(9.525,1.905) D14(8.255,1.905) D15(6.985,1.905) D16(5.715,1.905) D17(4.445,1.905) D18(3.175,1.905) D19(1.905,1.905) D20(0.635,1.905) D21(-0.635,1.905) D22(-1.905,1.905) D23(-3.175,1.905) D24(-4.445,1.905) D25(-5.715,1.905) D26(-6.985,1.905) D27(-8.255,1.905) D28(-9.525,1.905) D29(-10.795,1.905) D30(-12.065,1.905) D31(-13.335,1.905) D32(-14.605,1.905) D33(-15.875,1.905) D34(-17.145,1.905) D35(-18.415,1.905) D36(-19.685,1.905) D37(-20.955,1.905) D38(-22.225,1.905) D39(-23.495,1.905) D40(-24.765,1.905) E1(24.765,0.635) E2(23.495,0.635) E3(22.225,0.635) E4(20.955,0.635) E5(19.685,0.635) E6(18.415,0.635) E7(17.145,0.635) E8(15.875,0.635) E9(14.605,0.635) E10(13.335,0.635) E11(12.065,0.635) E12(10.795,0.635) E13(9.525,0.635) E14(8.255,0.635) E15(6.985,0.635) E16(5.715,0.635) E17(4.445,0.635) E18(3.175,0.635) E19(1.905,0.635) E20(0.635,0.635) E21(-0.635,0.635) E22(-1.905,0.635) E23(-3.175,0.635) E24(-4.445,0.635) E25(-5.715,0.635) E26(-6.985,0.635) E27(-8.255,0.635) E28(-9.525,0.635) E29(-10.795,0.635) E30(-12.065,0.635) E31(-13.335,0.635) E32(-14.605,0.635) E33(-15.875,0.635) E34(-17.145,0.635) E35(-18.415,0.635) E36(-19.685,0.635) E37(-20.955,0.635) E38(-22.225,0.635) E39(-23.495,0.635) E40(-24.765,0.635) F1(24.765,-0.635) F2(23.495,-0.635) F3(22.225,-0.635) F4(20.955,-0.635) F5(19.685,-0.635) F6(18.415,-0.635) F7(17.145,-0.635) F8(15.875,-0.635) F9(14.605,-0.635) F10(13.335,-0.635) F11(12.065,-0.635) F12(10.795,-0.635) F13(9.525,-0.635) F14(8.255,-0.635) F15(6.985,-0.635) F16(5.715,-0.635) F17(4.445,-0.635) F18(3.175,-0.635) F19(1.905,-0.635) F20(0.635,-0.635) F21(-0.635,-0.635) F22(-1.905,-0.635) F23(-3.175,-0.635) F24(-4.445,-0.635) F25(-5.715,-0.635) F26(-6.985,-0.635) F27(-8.255,-0.635) F28(-9.525,-0.635) F29(-10.795,-0.635) F30(-12.065,-0.635) F31(-13.335,-0.635) F32(-14.605,-0.635) F33(-15.875,-0.635) F34(-17.145,-0.635) F35(-18.415,-0.635) F36(-19.685,-0.635) F37(-20.955,-0.635) F38(-22.225,-0.635) F39(-23.495,-0.635) F40(-24.765,-0.635) G1(24.765,-1.905) G2(23.495,-1.905) G3(22.225,-1.905) G4(20.955,-1.905) G5(19.685,-1.905) G6(18.415,-1.905) G7(17.145,-1.905) G8(15.875,-1.905) G9(14.605,-1.905) G10(13.335,-1.905) G11(12.065,-1.905) G12(10.795,-1.905) G13(9.525,-1.905) G14(8.255,-1.905) G15(6.985,-1.905) G16(5.715,-1.905) G17(4.445,-1.905) G18(3.175,-1.905) G19(1.905,-1.905) G20(0.635,-1.905) G21(-0.635,-1.905) G22(-1.905,-1.905) G23(-3.175,-1.905) G24(-4.445,-1.905) G25(-5.715,-1.905) G26(-6.985,-1.905) G27(-8.255,-1.905) G28(-9.525,-1.905) G29(-10.795,-1.905) G30(-12.065,-1.905) G31(-13.335,-1.905) G32(-14.605,-1.905) G33(-15.875,-1.905) G34(-17.145,-1.905) G35(-18.415,-1.905) G36(-19.685,-1.905) G37(-20.955,-1.905) G38(-22.225,-1.905) G39(-23.495,-1.905) G40(-24.765,-1.905) H1(24.765,-3.175) H2(23.495,-3.175) H3(22.225,-3.175) H4(20.955,-3.175) H5(19.685,-3.175) H6(18.415,-3.175) H7(17.145,-3.175) H8(15.875,-3.175) H9(14.605,-3.175) H10(13.335,-3.175) H11(12.065,-3.175) H12(10.795,-3.175) H13(9.525,-3.175) H14(8.255,-3.175) H15(6.985,-3.175) H16(5.715,-3.175) H17(4.445,-3.175) H18(3.175,-3.175) H19(1.905,-3.175) H20(0.635,-3.175) H21(-0.635,-3.175) H22(-1.905,-3.175) H23(-3.175,-3.175) H24(-4.445,-3.175) H25(-5.715,-3.175) H26(-6.985,-3.175) H27(-8.255,-3.175) H28(-9.525,-3.175) H29(-10.795,-3.175) H30(-12.065,-3.175) H31(-13.335,-3.175) H32(-14.605,-3.175) H33(-15.875,-3.175) H34(-17.145,-3.175) H35(-18.415,-3.175) H36(-19.685,-3.175) H37(-20.955,-3.175) H38(-22.225,-3.175) H39(-23.495,-3.175) H40(-24.765,-3.175) J1(24.765,-4.445) J2(23.495,-4.445) J3(22.225,-4.445) J4(20.955,-4.445) J5(19.685,-4.445) J6(18.415,-4.445) J7(17.145,-4.445) J8(15.875,-4.445) J9(14.605,-4.445) J10(13.335,-4.445) J11(12.065,-4.445) J12(10.795,-4.445) J13(9.525,-4.445) J14(8.255,-4.445) J15(6.985,-4.445) J16(5.715,-4.445) J17(4.445,-4.445) J18(3.175,-4.445) J19(1.905,-4.445) J20(0.635,-4.445) J21(-0.635,-4.445) J22(-1.905,-4.445) J23(-3.175,-4.445) J24(-4.445,-4.445) J25(-5.715,-4.445) J26(-6.985,-4.445) J27(-8.255,-4.445) J28(-9.525,-4.445) J29(-10.795,-4.445) J30(-12.065,-4.445) J31(-13.335,-4.445) J32(-14.605,-4.445) J33(-15.875,-4.445) J34(-17.145,-4.445) J35(-18.415,-4.445) J36(-19.685,-4.445) J37(-20.955,-4.445) J38(-22.225,-4.445) J39(-23.495,-4.445) J40(-24.765,-4.445) K1(24.765,-5.715) K2(23.495,-5.715) K3(22.225,-5.715) K4(20.955,-5.715) K5(19.685,-5.715) K6(18.415,-5.715) K7(17.145,-5.715) K8(15.875,-5.715) K9(14.605,-5.715) K10(13.335,-5.715) K11(12.065,-5.715) K12(10.795,-5.715) K13(9.525,-5.715) K14(8.255,-5.715) K15(6.985,-5.715) K16(5.715,-5.715) K17(4.445,-5.715) K18(3.175,-5.715) K19(1.905,-5.715) K20(0.635,-5.715) K21(-0.635,-5.715) K22(-1.905,-5.715) K23(-3.175,-5.715) K24(-4.445,-5.715) K25(-5.715,-5.715) K26(-6.985,-5.715) K27(-8.255,-5.715) K28(-9.525,-5.715) K29(-10.795,-5.715) K30(-12.065,-5.715) K31(-13.335,-5.715) K32(-14.605,-5.715) K33(-15.875,-5.715) K34(-17.145,-5.715) K35(-18.415,-5.715) K36(-19.685,-5.715) K37(-20.955,-5.715) K38(-22.225,-5.715) K39(-23.495,-5.715) K40(-24.765,-5.715)
WURTH_5040
  rect 1.9x1.6 smd: 1(-2.05,0) 2(2.05,0)

## Nets
